# Altium PCB hellen1-72.PcbDoc (part 3 of 3)
Units mm, origin at the board's own origin, x right, y up, seen from the top; angles counter-clockwise.
Board outline 154 x 159 mm, 2 copper layers (Top Layer, Bottom Layer), stack 1.171 mm thick; 138 components, 222 nets, 1020 pads, 542 vias.
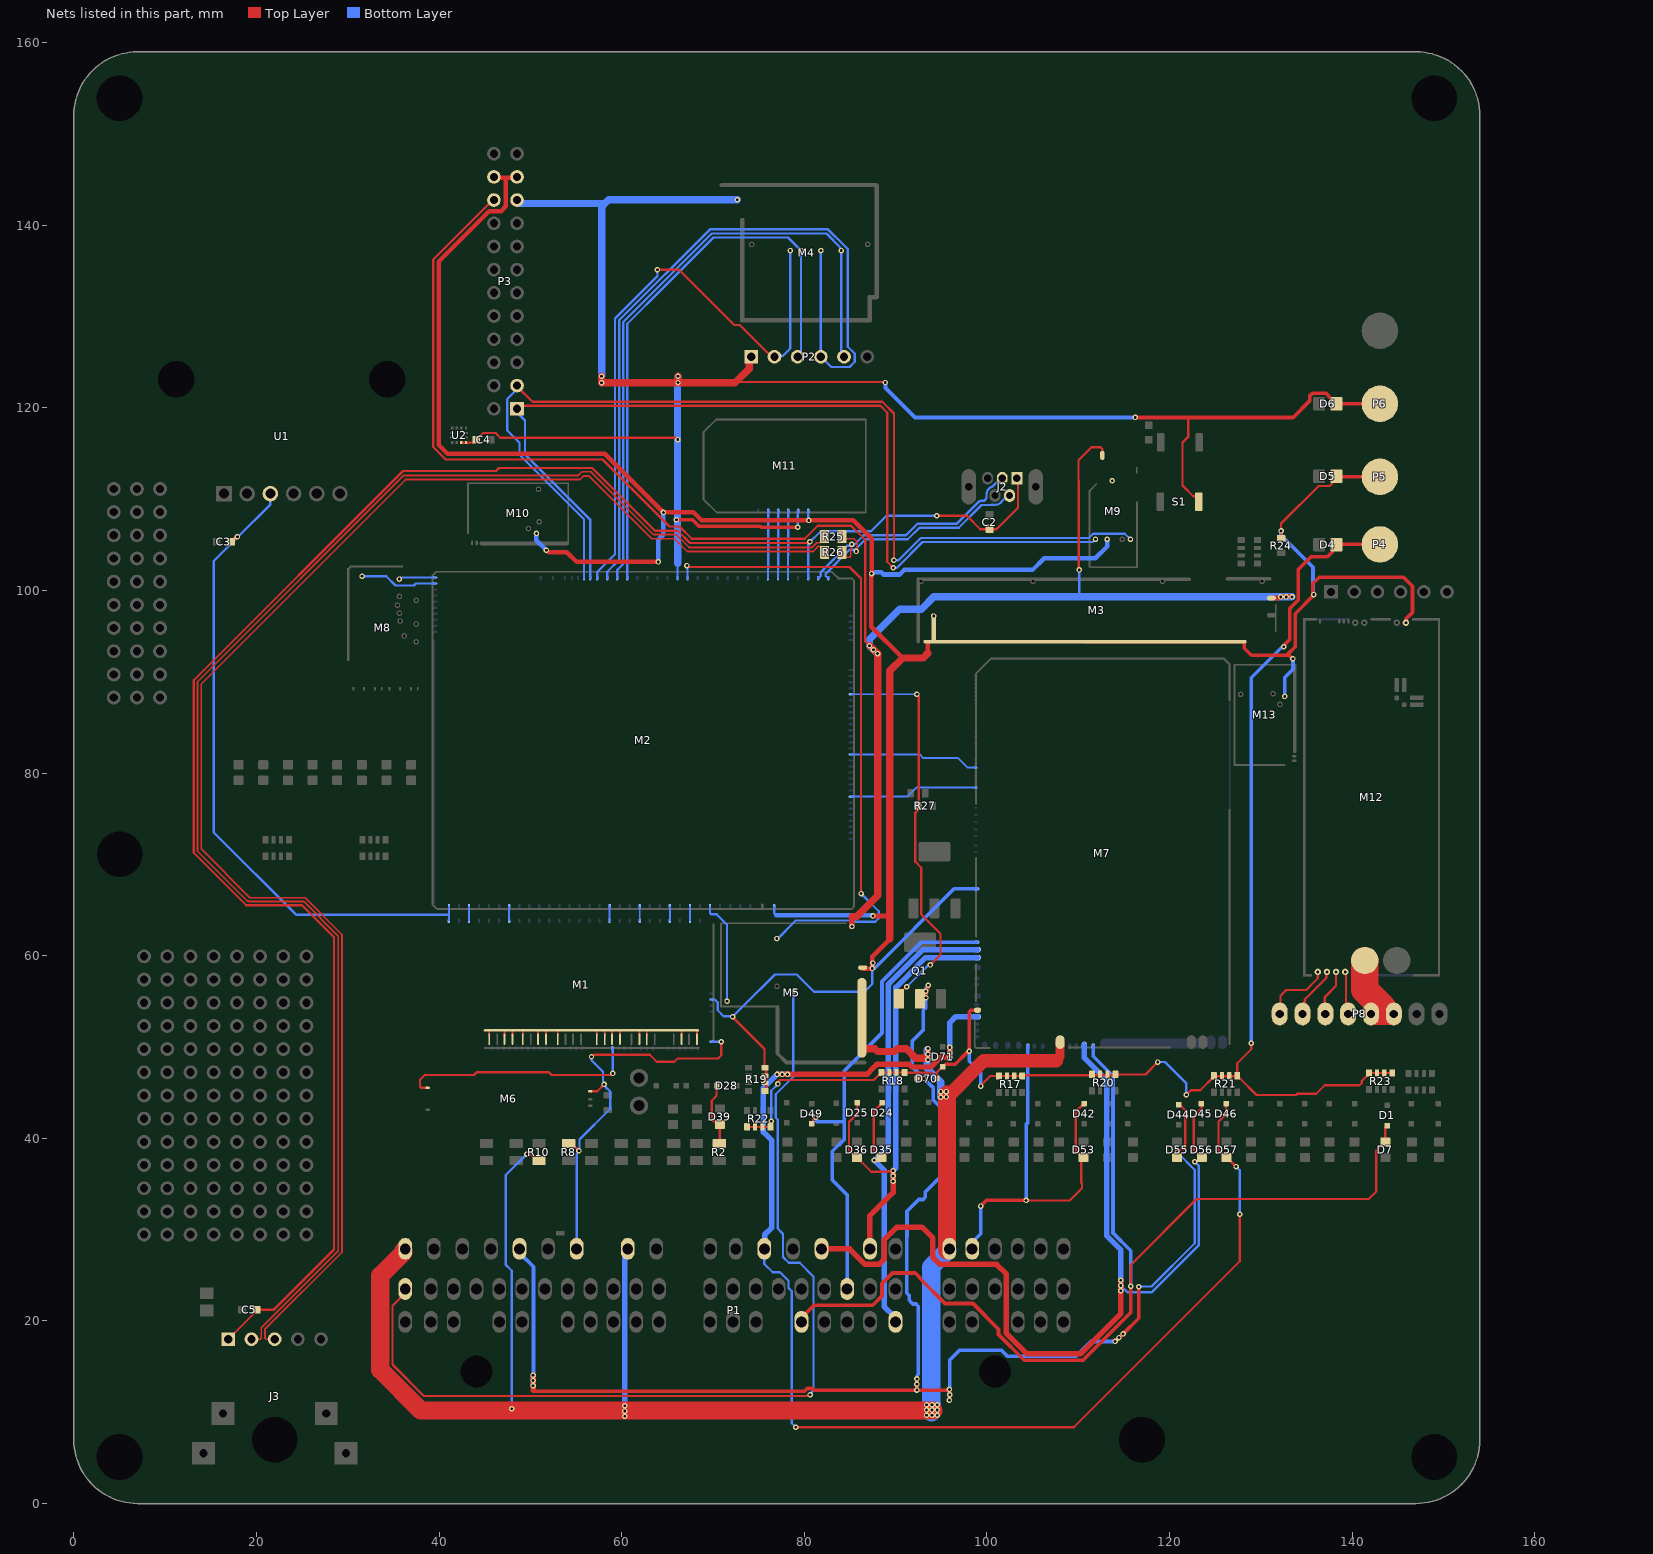
[diagram p3: the nets of this part, all layers, seen from the top]

## Via types
v1: diameter 0.6, hole 0.3, Top Layer to Bottom Layer, tented both sides, 542 vias

## Nets (pads, with @x,y where several pads share a name; then routed paths per layer and width w, separated by ;. In a path a pad name is that pad's centre, name@x,y a point inside that pad or via, vN(x,y) a via of type N, cw(c..) or ccw(c..) an arc to the next point about the centre after c; other vN are vias at no path point) (continued)
OUT_INJ7: D24.2 D35.2 M7.W12 P1.3C | length 57.6
  Top Layer w0.25: v1(87.675,37.588) 87.694,37.606 88.181,37.606 D35.2@88.475,37.9 88.425,37.9 87.6,38.725 87.6,42.9 88.225,43.525 88.225,43.6 D24.2@88.525,43.9
  Bottom Layer w0.6: P1.3C@90,19.9 90,20.35 88.75,21.6 88.75,36.513 v1(87.675,37.588) 89.225,39.138 89.225,56.856 89.3,56.931 89.3,56.95 93.014,60.664 M7.W12@98.972,60.664
OUT_INJ8: D25.2 D36.2 M7.W11 P1.3D | length 52.7
  Top Layer w0.25: D25.2@85.825,43.9 85.825,42.724 84.9,41.799 84.9,38.725 85.725,37.9 D36.2@85.775,37.9 85.825,37.9 86.2,37.525 86.2,37.475 87.35,36.325 89.13,36.325 89.188,36.383 89.658,36.383 v1(89.725,36.45)
  Top Layer w0.6: P1.3D@87.2,27.9 87.2,31.525 89.725,34.05 v1(89.725,35.3) v1(89.725,35.875) v1(89.725,36.45)
  Bottom Layer w0.6: v1(89.725,35.3) v1(89.725,35.875) v1(89.725,36.45) 90.025,36.75 90.025,56.525 93.289,59.789 M7.W11@98.972,59.789
OUT_MAIN: D49.1 M7.W13 P1.3H | length 53.2
  Top Layer w0.25: D49.1@80.8,41.6 80.975,41.775 80.975,42.055 81.125,42.205 v1@81.125,42.3
  Bottom Layer w0.4: v1@81.125,42.3 81.125,42.246 81.359,42.012 81.359,41.825 84.375,41.825 ; P1.3H@84.7,23.5 84.7,33.8 83.075,35.425 83.075,38.575 84.375,39.875 84.375,41.825 ; M7.W13@98.877,61.489 92.849,61.489 88.525,57.165 88.525,51.525 84.375,47.375 84.375,41.825
  other v1: 81.25,42.3
OUT_O2H: D45.2 D56.2 M7.S7 P1.3J | length 109.7
  Top Layer w0.25: v1(122.775,37.425) 122.87,37.425 122.97,37.525 123.125,37.525 D56.2@123.5,37.9 ; D45.2@123.5,43.8 123.5,43.261 122.65,42.411 122.65,38.75 D56.2@123.5,37.9 ; D56.2@123.55,37.9 D56.2@123.5,37.9
  Top Layer w0.6: P1.3J@81.89,27.9 84.982,27.9 86.682,26.2 88.2,26.2 88.75,26.75 88.75,28.868 90.157,30.275 92.9,30.275 94.1,29.075 94.1,26.95 94.85,26.2 101.075,26.2 102.15,25.125 102.15,18.625 104.375,16.4 110.25,16.4 114.675,20.825 v1(114.675,23.3) v1(114.675,23.875) v1(114.675,24.45)
  Bottom Layer w0.25: v1(114.675,24.45) 114.675,23.775 114.775,23.775 115.425,23.125 118.025,23.125 123.225,28.325 123.225,36.975 v1(122.775,37.425)
  Bottom Layer w0.6: M7.S7@110.677,50.189 110.677,48.798 113.1,46.375 113.1,46.29 113.125,46.265 113.125,29.331 114.675,27.781 v1(114.675,24.45) v1(114.675,23.875) v1(114.675,23.3)
OUT_O2H2: D46.2 D57.2 M7.W4 P1.3P | length 146
  Top Layer w0.25: v1(79.075,8.35) 109.525,8.35 127.7,26.525 v1(127.7,31.675) ; D46.2@126.2,43.8 126.2,42.636 125.375,41.811 125.375,38.725 126.2,37.9 D57.2@126.25,37.9 126.3,37.9 v1(127.3,36.9)
  Top Layer w0.6: v1@77.25,47 v1(77.6,47) v1(78.175,47) 86.85,47 87.55,47.7 87.556,47.7 87.956,48.1 91.494,48.1 91.783,47.811 93.881,47.811 94.35,48.279 94.35,48.297 94.928,48.875 95.872,48.875 95.797,48.8 v1(95.95,48.8) v1(95.95,49.375) v1(95.95,49.95)
  Bottom Layer w0.25: P1.3P@75.63,27.9 75.63,26.245 76.555,25.32 77.35,25.32 78.275,24.395 78.275,23.6 78.625,23.25 78.625,8.8 v1(79.075,8.35) ; v1(127.3,36.9) 127.7,36.5 v1(127.7,31.675)
  Bottom Layer w0.6: P1.3P@75.63,27.9 75.675,27.945 75.675,29.449 76.45,30.224 76.45,39.756 75.525,40.681 75.525,45.5 v1(77.025,47) v1(77.6,47) v1(78.175,47) ; v1(95.95,48.8) v1(95.95,49.375) v1(95.95,49.95) 95.95,50.328 95.95,52.672 96.591,53.314 M7.W4@98.972,53.314
OUT_PUMP: D42.2 D53.2 M7.S14 P1.2M | length 44.1
  Top Layer w0.25: v1(104.3,33.2) 109.084,33.2 110.425,34.541 110.425,35.059 110.35,35.134 110.35,37.65 D53.2@110.6,37.9 110.55,37.9 109.725,38.725 109.725,42.875 D42.2@110.65,43.8
  Top Layer w0.4: v1(99.325,32.575) 99.95,33.2 v1(104.3,33.2)
  Bottom Layer w0.4: P1.2M@98.4,27.9 98.4,28.608 99.325,29.533 v1(99.325,32.575) ; v1(104.3,33.2) 104.3,41.523 104.497,41.72 M7.S14@104.497,50.089
OUT_TACH: D1.1 D7.1 M7.S6 P1.3O | length 117
  Top Layer w0.25: v1(115.75,23.8) 115.75,26.13 122.97,33.35 141.825,33.35 142.65,34.175 142.65,38.65 143.6,39.6 D7.1@143.65,39.6 143.65,41.175 D1.1@143.875,41.4
  Top Layer w0.4: P1.3O@79.7,19.9 79.7,20.35 81.072,21.722 87.498,21.722 88.511,22.735 88.511,24.087 89.674,25.25 92.165,25.25 92.65,24.765 92.65,24.674 95.424,21.9 98.476,21.9 101.281,19.096 101.281,18.504 104.085,15.7 110.54,15.7 115.75,20.91 v1(115.75,23.8)
  Bottom Layer w0.4: M7.S6@111.652,50.089 111.652,48.998 113.8,46.85 113.8,46.58 113.825,46.555 113.825,29.621 115.75,27.696 v1(115.75,23.8)
OUT_VVT: D44.2 D55.2 D70.2 P1.4R Q1.2 | length 177.3
  Top Layer w0.25: v1(120.85,38.475) 120.945,38.475 121.245,38.775 121.476,38.775 121.725,39.024 121.725,43.075 D44.2@121,43.8
  Top Layer w0.4: 50.311,12.413 50.411,12.313 80.057,12.313 80.344,12.6 80.924,12.6 81.111,12.413 95.671,12.413 95.72,12.462 95.862,12.462 v1(95.9,12.5) 95.912,12.488 95.912,11.938 v1(95.925,11.925) ; D70.2@92.325,46.55 v1(93.1,46.55) ; v1(92.35,12.425) v1(92.35,13.05) v1(92.35,13.65) ; Q1.2@92.675,55.275 92.786,55.386 v1(93.325,55.386) 93.312,55.399 93.312,56.088 v1(93.3,56.1) 93.3,56.154 93.536,56.39 93.536,56.712 v1(93.574,56.75) ; v1@95.95,11.275 v1@95.95,11.925 ; v1(114.05,17.75) v1(114.475,18.175) ; v1@114.5,18.15 v1(114.925,18.575) 116.65,20.3 v1(116.65,23.75) ; D55.2@120.85,37.9 v1(120.85,38.475)
  Top Layer w0.6: 50.3,12.527 v1(50.3,12.9) v1(50.3,13.475) v1(50.3,14.05) ; 50.311,12.413 50.311,12.516
  Bottom Layer w0.25: v1@116.65,23.775 118.039,23.775 122.775,28.511 122.775,36.541 120.85,38.466 v1(120.85,38.475)
  Bottom Layer w0.4: P1.4R@48.82,27.9 48.82,27.45 50.35,25.92 v1@50.35,12.759 ; v1(92.35,12.425) v1(92.35,13.05) v1(92.35,13.65) 92.388,13.688 92.388,14.063 92.5,14.175 92.5,21.6 92.25,21.85 91.91,21.85 91.706,22.054 91.5,22.26 91.5,22.785 91.225,23.06 91.225,29.221 91.25,29.246 91.25,32.021 92.529,33.3 93.016,33.3 93.25,33.534 93.25,34.115 95.8,36.665 95.8,42.519 94.15,44.169 94.15,45.5 v1(93.1,46.55) 91.85,47.8 91.85,50.689 93.025,51.864 93.025,54.026 93.325,54.326 v1(93.325,55.386) 93.325,56.446 93.574,56.696 v1(93.574,56.75) ; v1(95.9,11.3) v1(95.9,12.5) 95.938,12.538 95.938,12.68 95.95,12.691 95.95,15.725 97,16.775 101.616,16.775 102.266,16.125 109.775,16.125 111.4,17.75 v1(114.05,17.75) 114.075,17.75 114.9,18.575 v1(114.925,18.575)
  Bottom Layer w0.6: v1(50.3,12.9) v1(50.3,13.475) v1(50.3,14.05)
PUMP: M2.E20 M7.W27 | length 14.3
  Bottom Layer w0.2: M2.E20@85.102,82.045 92.655,82.045 93.05,81.65 96.859,81.65 97.901,80.609 M7.W27@98.772,80.609
SD_CS: M2.N8 M4.V4 P2.2 | length 66.1
  Top Layer w0.25: v1(63.925,135.125) 66.275,135.125 72.325,129.075 72.927,129.075 76.402,125.6 P2.2@76.74,125.6
  Bottom Layer w0.25: M2.N8@57.325,101.352 57.325,102.025 59.275,103.975 59.275,129.784 63.925,134.434 v1(63.925,135.125) ; P2.2@76.73,125.839 76.854,125.714 77.683,125.714 78.475,126.506 M4.V4@78.475,137.23
SD_MISO: M2.N10 M4.V7 P2.5 | length 69.1
  Bottom Layer w0.25: M2.N10@59.525,101.352 59.525,102.25 60.175,102.9 60.175,129.411 69.864,139.1 82.428,139.1 83.983,137.544 83.983,137.297 M4.V7@84.05,137.23 P2.5@84.05,125.248
SD_MOSI: M2.N11 M4.V5 P2.3 | length 63.3
  Bottom Layer w0.25: M2.N11@60.625,101.352 60.625,129.225 64.7,133.3 70.05,138.65 78.23,138.65 M4.V5@79.65,137.23 P2.3@79.65,125.308
SD_SCK: M2.N9 M4.V6 P2.4 | length 87.5
  Bottom Layer w0.25: M2.N9@58.425,101.352 58.425,102.05 59.725,103.35 59.725,129.598 69.677,139.55 82.614,139.55 84.309,137.855 84.775,137.389 84.775,126.705 85.525,125.955 85.525,125.05 84.95,124.475 82.948,124.475 81.822,125.6 M4.V6@81.822,137.23
SENS2: M1.N25 M2.S9 | length 1.6
  Bottom Layer w0.2: M1.N25@67.482,63.83 M2.S9@67.482,65.42
SENS4: M1.N23 M2.S11 | length 1.6
  Bottom Layer w0.2: M1.N23@65.282,63.83 M2.S11@65.282,65.42
STEERING: M1.N3 M2.S31 | length 1.6
  Bottom Layer w0.2: M1.N3@43.28,63.827 43.283,63.83 43.283,65.42 M2.S31@43.285,65.423
SWCLK: M2.N25 M11.N5 | length 7.4
  Bottom Layer w0.25: M2.N25@76.025,101.352 76.025,102.425 76.05,102.45 M11.N5@76.05,108.725
SWDIO: M2.N26 M11.N4 | length 7.4
  Bottom Layer w0.25: M2.N26@77.125,101.352 77.125,102.425 77.15,102.45 M11.N4@77.15,108.725
SWO: M2.N27 M11.N3 | length 7.4
  Bottom Layer w0.25: M2.N27@78.225,101.352 78.225,103.813 78.25,103.839 M11.N3@78.25,108.725
TACH: M2.E27 M7.W22 | length 14.1
  Bottom Layer w0.2: M2.E27@85.102,77.425 91.3,77.425 92.284,78.409 M7.W22@98.772,78.409
TPS: M1.N17 M2.S17 | length 1.6
  Bottom Layer w0.2: M1.N17@58.683,63.83 M2.S17@58.683,65.42
UART_RX: M2.N7 M9.V2 P3.1 | length 103.8
  Top Layer w0.25: P3.1@48.55,119.5 49.275,120.225 88.354,120.225 89.104,119.475 89.104,103.146 v1(89.75,102.5)
  Bottom Layer w0.25: P3.1@48.175,119.875 49.425,118.625 49.425,114.902 56.55,107.777 M2.N7@56.55,101.352 ; v1(89.75,102.5) 90.15,102.5 92.95,105.3 111.593,105.3 111.893,105.6 M9.V2@111.9,105.6
UART_TX: M2.N6 M9.V5 P3.3 | length 110.7
  Top Layer w0.25: P3.3@48.55,122.44 48.55,122.355 50.23,120.675 73.285,120.675 88.541,120.675 89.829,119.386 v1(89.829,103.321)
  Bottom Layer w0.25: P3.3@48.55,122.065 48.55,122.04 47.475,120.965 47.475,117.534 48.825,116.184 48.825,114.866 55.885,107.806 M2.N6@55.885,101.352 ; v1(89.829,103.321) 90.334,103.321 92.764,105.75 111.166,105.75 111.641,106.225 115.1,106.225 M9.V5@115.725,105.6
USB2_N: J3.2 R25.1 | length 168.7
  Top Layer w0.2: J3.2@19.46,18 20.398,18 20.53,18.132 20.53,19.262 28.973,27.705 28.973,33.852 28.973,62.153 25.176,65.95 19.127,65.95 19.102,65.975 19.026,65.975 13.55,71.451 13.55,90 36.159,112.609 55.268,112.609 55.659,113 56.615,113 63.49,106.125 65.977,106.125 67.377,104.725 80.874,104.725 81.386,105.237 81.72,105.237 81.757,105.275 81.825,105.275 82.225,105.675 R25.1@82.225,105.9
USB2_P: J3.3 R26.1 | length 168
  Top Layer w0.2: J3.3@22,18 21.062,18 20.93,18.132 20.93,19.097 29.373,27.54 29.373,62.319 25.342,66.35 19.293,66.35 13.95,71.693 13.95,89.758 36.347,112.155 55.456,112.155 55.851,112.55 56.423,112.55 63.302,105.671 65.789,105.671 67.189,104.271 80.985,104.271 81.552,104.837 81.72,104.837 81.757,104.8 81.825,104.8 82.225,104.4 R26.1@82.225,104.175
USB_N: J2.2 M2.N31 R25.2 | length 28
  Top Layer w0.2: R25.2@84.125,105.9 84.125,105.675 85.449,105.675 85.8,105.324 85.8,104.826 85.777,104.803 85.777,104.352 v1(85.7,104.275)
  Bottom Layer w0.25: M2.N31@82.625,101.352 82.625,101.477 82.459,101.477 82.327,101.609 82.327,101.815 84.962,104.45 v1@85.7,104.45 ; v1(85.7,104.275) v1@85.7,104.45 ; J2.2@102.05,110.118 J2.2@102.344,110.118 ; J2.2@102.489,110.4 ccw(c102.489,109.829) 102.085,110.233 101.69,109.837 cw(c100.889,110.3) 100.715,109.391 ccw(c100.673,109.17) 100.639,109.393 cw(c100.4,110.983) 100.4,109.375 99.416,109.375 96.916,106.874 92.615,106.874 91.341,105.6 86.71,105.6 85.7,104.59 v1@85.7,104.45
USB_P: J2.3 M2.N30 R26.2 | length 28.5
  Top Layer w0.2: R26.2@84.125,104.175 84.125,104.05 84.525,103.65 84.995,103.65 85.1,103.755 85.1,104.524 85.2,104.624 v1(85.2,105.075)
  Bottom Layer w0.25: M2.N30@81.525,101.352 81.525,101.477 81.691,101.477 81.823,101.609 81.823,102.024 84.699,104.9 v1@85.2,104.9 ; v1(85.2,105.075) v1@85.2,104.9 ; 99.774,109.875 cw(c99.633,110.05) 99.633,109.825 99.416,109.825 ccw(c99.416,109.375) 99.168,109.75 cw(c99.044,109.938) 99.139,109.734 96.73,107.324 92.429,107.324 91.154,106.05 86.524,106.05 85.374,104.9 v1@85.2,104.9 ; 99.775,109.875 ccw(c99.02,110.63) 99.936,110.081 ccw(c99.743,110.198) 99.967,110.218 cw(c100.889,110.3) 99.964,110.3 99.964,110.5 cw(c100.889,110.5) 100.088,110.962 cw(c100.889,110.5) 100.235,111.154 cw(c100.889,110.5) 100.525,111.35 ccw(c100.437,111.557) 100.582,111.385 100.585,111.388 100.62,111.388 101.532,112.3 J2.3@101.689,112.3 ; J2.3@101.689,112.25 J2.3@101.689,112.3 ; J2.3@101.689,112.4 J2.3@101.689,112.3 ; J2.3@101.782,112.25 101.782,112.157 J2.3@101.814,112.125
V5: D5.1 M1.E2 M2.S1 M3.V2 M5.E1 M7.W14 M9.V3 M10.V1 M11.N1 M12.W1 M13.V1 P3.21 P3.22 P5.1 R19.5 R19.6 R19.7 R19.8 R24.1 | length 330.8
  Top Layer w0.25: v1(72.15,53.313) 72.15,53.275 75.65,49.775 75.65,47.775 R19.8@75.7,47.725 ; R19.5@75.85,45.15 R19.8@75.85,47.7 ; R24.1@132.225,105.725 v1(132.225,106.525) 132.225,107.325 136.345,111.445 137.545,111.445 137.793,111.693 137.793,112.013 D5.1@138.3,112.52
  Top Layer w0.4: M3.V2@110.75,94.4 128.195,94.4 128.195,93.68 128.9,92.975 128.935,92.975 129.01,92.9 132.845,92.9 132.939,92.994 ; v1(133.525,92.525) 133.471,92.525 133.002,92.994 132.939,92.994 ; v1@135.81,99.496 135.71,99.396 135.71,99.393 133.775,97.458 133.775,93.83 132.939,92.994 ; v1(135.81,99.55) 135.81,99.604 135.7,99.714 135.7,100.74 136.41,101.45 145.625,101.45 146.625,100.45 146.625,97.6 146.4,97.375 146.384,97.375 145.955,96.946 145.955,96.53 M12.W1@145.9,96.475 ; D5.1@138.3,112.445 P5.1@143.045,112.445 ; P5.1@143.045,111.245 P5.1@143.05,111.25
  Top Layer w0.5: P3.22@46.035,145.225 47.325,145.225 ; P3.21@48.525,145.225 47.325,145.225 ; v1(51.77,104.396) 51.797,104.396 51.993,104.2 54,104.2 55.075,103.125 v1(64.025,103.125) ; M5.E1@86.4,58.7 86.4,58.575 87.398,58.575 87.423,58.6 v1(87.45,58.6) 87.45,58.627 87.48,58.657 v1@87.48,59.201 ; v1@87.357,102.011 87.357,96.02 90.777,92.6 ; v1(87.375,101.85) 87.375,105.675 85.375,107.675 v1(80.5,107.675) 68.75,107.675 67.875,108.55 v1(64.575,108.55) 58.155,114.97 40.93,114.97 39.95,115.95 39.95,136.025 45.485,141.56 46.82,141.56 47.325,142.065 47.325,145.225 ; v1(87.525,64.35) 89.375,64.35 ; v1(87.53,59.201) v1@87.48,59.201 ; 89.375,61.819 87.734,60.178 87.47,59.915 87.47,59.21 v1@87.48,59.201 ; 93.541,93.116 M3.V2@93.541,94.275
  Top Layer w0.8: 89.375,61.819 89.375,64.35 89.375,91.198 90.777,92.6 93.025,92.6 93.541,93.116
  Bottom Layer w0.25: M1.E2@69.85,55.198 70.202,55.198 70.534,54.866 70.534,54.016 71.171,53.379 72.083,53.379 v1(72.15,53.313) 73.375,54.538 76.787,57.95 79.175,57.95 81.075,56.05 86.6,56.05 87.45,56.9 v1(87.45,58.6) ; M2.S1@76.725,65.323 76.725,64.625 76.925,64.425 ; M11.N1@80.45,108.675 80.45,107.725 v1(80.5,107.675)
  Bottom Layer w0.4: v1(87.45,58.6) 87.488,58.638 87.713,58.638 96.414,67.339 M7.W14@98.877,67.339 ; v1(132.225,106.525) 132.225,106.05 135.725,102.55 135.725,99.776 135.772,99.73 135.772,99.588 v1(135.81,99.55) ; M13.V1@132.625,88.4 132.625,90.475 133.525,91.375 v1(133.525,92.525)
  Bottom Layer w0.5: M10.V1@50.67,106.255 50.67,105.496 v1(51.77,104.396) ; v1(64.025,103.125) 64.025,105.563 64.575,106.113 v1(64.575,108.55) ; 76.925,64.425 87.423,64.425 87.498,64.35 v1(87.525,64.35) ; v1(87.375,101.85) 87.402,101.85 87.54,101.987 88.448,101.987 88.686,101.75 90.475,101.75 90.975,102.25 105,102.25 106.275,103.525 111.875,103.525 113.175,104.825 M9.V3@113.175,105.6
V5A: C3.1 M1.E5 M1.J1 M1.J3 M1.J5 M1.J6 M1.J7 M1.J9 M1.J10 M1.J11 M1.J15 M1.J16 M1.J17 M1.J18 M1.J20 M1.J21 M1.J24 M1.J26 M1.N1 M2.S33 M6.E1 P1.4L R8.2 U1.3 | length 123.7
  Top Layer w0.2: M1.J3@45.495,51.25 M1.J1@45.495,51.775 ; M1.J5@47.17,51.25 M1.J1@47.17,51.775 ; M1.J6@48.045,51.25 M1.J1@48.045,51.775 ; M1.J7@49.17,51.25 M1.J1@49.17,51.775 ; M1.J9@50.845,51.25 M1.J1@50.845,51.775 ; M1.J10@51.72,51.25 M1.J1@51.72,51.775 ; M1.J11@52.995,51.25 M1.J1@52.995,51.775 ; M1.J15@57.27,51.25 M1.J1@57.27,51.775 ; M1.J16@58.145,51.25 M1.J1@58.145,51.775 ; M1.J17@58.945,51.25 M1.J1@58.945,51.775 ; M1.J18@59.82,51.25 M1.J1@59.82,51.775 ; M1.J20@61.945,51.25 M1.J1@61.945,51.775 ; M1.J21@62.745,51.25 M1.J1@62.745,51.775 ; M1.J24@66.575,51.25 M1.J1@66.575,51.775 ; M1.J26@68.25,51.25 M1.J1@68.25,51.775
  Top Layer w0.25: R8.2@54.2,39.45 54.5,39.45 v1(55.325,38.625) ; M6.E1@56.575,45.15 57.328,45.15 v1(58.078,45.9) ; v1(56.7,48.925) 56.777,48.925 57.007,49.155 63.07,49.155 63.848,48.377 65.769,48.377 66.141,48.75 70.55,48.75 70.9,49.1 v1(70.9,50.575)
  Top Layer w0.4: C3.1@17.24,105.35 17.727,105.837 17.887,105.837 v1(17.925,105.875)
  Bottom Layer w0.2: M1.N1@41.08,63.827 41.083,63.83 41.083,64.5 41.085,64.503 M2.S33@41.085,65.423
  Bottom Layer w0.25: U1.3@21.53,110.6 21.53,109.43 17.95,105.85 15.325,103.225 15.325,73.5 24.325,64.5 41.083,64.5 ; P1.4L@55.08,27.9 55.08,38.28 55.375,38.575 55.375,38.58 55.375,39.864 58.75,43.239 58.75,45.125 58.244,45.631 58.244,45.64 58.145,45.738 58.145,45.967 58.167,45.988 57.95,46.205 57.95,47.288 56.7,48.538 v1(56.7,48.925) ; M1.E5@69.85,50.578 70.897,50.578 v1(70.9,50.575)
V5I: M2.W9 M8.V9 | length 8.5
  Bottom Layer w0.25: M8.V9@31.575,101.55 34.225,101.55 35.225,100.55 37.259,100.55 37.469,100.76 M2.W9@39.575,100.76
V12: M3.V1 M5.V1 M9.N1 M9.V1 P3.20 | length 198.5
  Top Layer w0.25: P3.20@46.01,142.36 45.949,142.421 45.533,142.421 39.375,136.263 39.375,115.712 40.743,114.344 57.897,114.344 65.241,107 66.339,107 67.683,105.657 80.05,105.657 81.493,107.1 85.137,107.1 86.675,105.562 86.675,94.425 v1(87.15,93.95) v1@87.2,93.95 ; v1(110.125,102.25) 110.07,102.305 110.07,111.988 110.05,112.008 110.05,114.275 111.475,115.7 112.45,115.7 112.65,115.5 M9.N1@112.65,114.8
  Top Layer w0.5: M3.V1@131.17,99.175 132.048,99.175 132.173,99.3 v1(132.2,99.3) 132.219,99.319 132.29,99.319 132.314,99.343 132.73,99.343 132.773,99.3 v1(132.8,99.3) 132.827,99.3 132.882,99.355 133.343,99.355 133.398,99.3 v1(133.425,99.3)
  Top Layer w0.6: M5.V1@85.225,63.2 85.225,64.275
  Top Layer w0.8: 85.225,64.275 85.725,64.275 88.048,66.598 v1@88.048,93.102 ; v1@87.2,93.95 v1@87.61,93.54 ; v1(87.585,93.515) v1@87.61,93.54 ; v1(88.035,93.09) v1@88.048,93.102 ; v1@87.61,93.54 v1@88.048,93.102
  Bottom Layer w0.25: 110.125,99.3 v1(110.125,102.25)
  Bottom Layer w0.8: v1(88.035,93.09) 88.01,93.09 v1(87.585,93.515) v1(87.15,93.95) 87.15,94.675 90.425,97.95 92.85,97.95 94.2,99.3 110.125,99.3 v1(132.2,99.3) v1(132.8,99.3) v1(133.425,99.3)
V12_PERM: M5.V4 P1.4AG | length 103.7
  Top Layer w0.25: P1.4AG@36.3,23.5 36.3,23.05 34.9,21.65 34.9,15.225 38.337,11.788 80.327,11.788 80.373,11.833 80.567,11.833 v1(80.634,11.9)
  Bottom Layer w0.25: M5.V4@78.9,56.15 78.833,56.083 78.833,55.876 78.8,55.843 78.8,53.34 78.8,46.741 76.875,44.816 76.875,42.259 77.088,42.046 77.088,30.129 77.685,29.531 77.685,27.005 78.315,26.375 79.5,26.375 81.025,24.85 81.025,12.385 80.634,11.995 v1(80.634,11.9)
V12_RAW: M5.E2 M7.S11 P1.2P P1.4AF P1.4D R10.1 | length 201.2
  Top Layer w0.25: v1(49.627,38.277) 49.694,38.21 50.065,38.21 50.725,37.55 R10.1@50.95,37.55
  Top Layer w0.6: v1(60.35,9.55) v1(60.35,10.125) 60.35,10.2 v1(60.35,10.7) ; v1(93.4,9.675) 93.4,10.2 v1(93.4,10.25) v1(93.4,10.825) ; v1@93.55,48.636 v1(93.55,49.218) v1(93.55,49.825) ; v1(94,9.675) 94,10.2 v1(94,10.25) v1(94,10.825) ; v1(94.575,9.675) v1(94.575,10.25) v1(94.575,10.825)
  Top Layer w0.8: M5.E2@86.315,53.197 86.315,49.892 86.407,49.8 87.734,49.8 88.032,49.502 89.929,49.502 90.227,49.8 91.198,49.8 92.223,48.775 93.214,48.775
  Top Layer w1: v1(95.55,44.525) 95.6,44.525 v1@95.638,44.488 ; 107.6,48.5 108.027,48.927 M7.S11@108.027,50.539
  Top Layer w1.5: v1@95.638,44.488 99.65,48.5 107.6,48.5
  Top Layer w2: P1.4AF@36.1,27.7 36.1,27.5 33.575,24.975 33.575,14.625 38,10.2 60.35,10.2 93.4,10.2 94,10.2 v1@94.15,10.2 ; P1.2P@95.638,27.7 95.638,44.488 v1@95.638,44.8
  Bottom Layer w0.25: v1(47.975,10.375) 47.975,25.5 47.295,26.18 47.295,35.944 v1(49.627,38.277)
  Bottom Layer w0.6: v1(60.35,9.55) v1(60.35,10.125) v1(60.35,10.7) 60.35,26.886 60.67,27.206 P1.4D@60.67,27.9
  Bottom Layer w0.8: v1@93.45,48.986 v1@93.45,49.7 ; v1@93.45,49.075 93.45,47.675 94.95,46.175 v1(94.95,45.125) ; v1(95.55,44.525) 95.531,44.506 95.006,44.506 95,44.5 v1(94.95,44.5) v1(94.95,45.125) ; v1(95.55,45.125) v1(94.95,45.125)
  Bottom Layer w2: v1@93.95,9.975 v1@93.95,10.825 ; v1(94,10.825) 93.9,10.925 93.9,25.9 P1.2P@95.7,27.7
  other v1: 93.55,48.611
V12P: D4.1 D70.1 D71.1 M7.W5 P4.1 R17.5 R17.6 R17.7 R17.8 R18.5 R18.6 R18.7 R18.8 R20.5 R20.6 R20.7 R20.8 R21.5 R21.6 R21.7 R21.8 R22.5 R22.6 R22.7 R22.8 R23.5 R23.6 R23.7 R23.8 | length 161.1
  Top Layer w0.25: R22.5@73.75,41.25 R22.6@74.625,41.25 R22.7@75.425,41.25 R22.8@76.3,41.25 76.338,41.287 76.338,41.838 v1(76.375,41.875) ; v1(77.116,45.959) 77.116,46.141 77.35,46.375 87.625,46.375 88.175,46.925 88.25,46.925 88.45,47.125 R18.8@88.45,47.2 R18.7@89.325,47.2 R18.6@90.125,47.2 R18.5@91,47.2 91.014,47.186 93.964,47.186 94.4,46.75 D70.1@94.525,46.75 ; D70.1@94.525,46.55 D70.1@94.525,46.75 ; 95.5,48.175 D71.1@95.15,47.825 94.525,47.2 D70.1@94.525,46.75 ; 97.779,49.412 97.859,49.412 97.989,49.541 v1(98.084,49.541) ; v1(99.325,45.725) 99.325,45.775 100.375,46.825 R17.8@101.325,46.825 R17.7@102.2,46.825 R17.6@103,46.825 R17.5@103.875,46.825 103.963,46.913 R20.8@111.525,46.913 ; R20.8@111.525,47 R20.8@111.525,46.913 ; R20.7@112.4,47 R20.7@112.4,46.913 ; R20.6@113.2,47 R20.6@113.2,46.913 ; v1(118.725,48.35) 117.375,47 R20.5@114.075,47 113.988,46.913 R20.6@113.2,46.913 ; v1(121.856,44.777) 122.354,45.275 123.375,45.275 124.875,46.775 R21.8@124.875,46.8 ; R21.8@124.875,46.85 R21.8@124.875,46.8 ; R21.7@125.75,46.85 R21.7@125.75,46.8 ; R21.6@126.55,46.85 R21.6@126.55,46.8 ; v1(128.954,50.42) 128.954,49.754 127.425,48.225 R21.5@127.425,46.85 R21.5@127.425,46.8 ; R23.5@144.4,47.15 R23.6@143.525,47.15 R23.7@142.725,47.15 R23.8@141.85,47.15 141.85,47.075 141.05,46.275 141.05,46.025 140.825,45.8 137,45.8 136.075,44.875 134.014,44.875 133.889,44.75 129.525,44.75 127.7,46.575 127.625,46.575 127.425,46.775 R21.5@127.425,46.8 ; R20.8@111.525,46.913 R20.7@112.4,46.913 ; R20.7@112.4,46.913 R20.6@113.2,46.913 ; R21.8@124.875,46.8 R21.7@125.75,46.8 ; R21.7@125.75,46.8 R21.6@126.55,46.8 ; R21.6@126.55,46.8 R21.5@127.425,46.8
  Top Layer w0.4: 95.5,48.1 96.542,48.1 97.779,49.337 ; v1(98.084,49.541) 98.084,53.859 98.259,54.035 M7.W5@98.972,54.035 ; v1(132.515,93.829) 132.515,93.964 133.175,94.624 133.175,98.025 134.125,98.975 134.125,102.325 135.5,103.7 137.3,103.7 137.85,104.25 137.85,104.475 138.425,105.05 P4.1@143.05,105.05
  Bottom Layer w0.25: v1(76.375,41.875) 76.375,45.219 v1(77.116,45.959) ; v1(118.725,48.35) 119.5,48.35 121.856,45.994 v1(121.856,44.777) v1@121.856,44.607
  Bottom Layer w0.4: v1(98.084,49.541) 98.084,48.44 99.325,47.199 v1(99.325,45.725) ; v1(128.954,50.42) 128.954,90.447 132.298,93.791 132.477,93.791 v1(132.515,93.829)
V33: C4.1 D6.1 M2.N16 M4.V1 M11.N2 P2.1 P3.19 P6.1 S1.2 U2.9 U2.10 | length 213.7
  Top Layer w0.25: U2.9@42.445,116.195 U2.10@42.945,116.195 43.395,116.195 43.408,116.209 43.784,116.209 C4.1@44.084,116.509 44.834,117.259 46.174,117.259 46.37,117.063 46.37,117.056 46.701,116.725 65.95,116.725 v1(66.15,116.525) ; 72.5,122.825 88.825,122.825 v1(88.869,122.781) ; 122.075,118.95 122.075,116.863 121.425,116.213 121.425,111.5 122.607,110.318 122.925,110.318 123.42,109.823 S1.2@123.42,109.505 ; 122.975,118.95 123.004,118.95
  Top Layer w0.4: v1(66,107.75) 67.756,107.75 68.481,107.025 75.197,107.025 75.297,106.925 v1(79.3,106.925) ; v1(116.25,118.95) 122.075,118.95 122.975,118.95 ; 123.004,118.95 133.55,118.95 135.35,120.75 135.35,121.29 135.66,121.6 137.14,121.6 137.45,121.29 137.45,121.211 137.661,121 137.85,121 138.241,120.609 D6.1@138.241,119.959 ; D6.1@138.65,120.45 P6.1@143.05,120.45
  Top Layer w0.8: v1(57.8,123.475) v1(57.8,122.75) 66.15,122.75 v1(66.175,122.775) 66.2,122.75 72.425,122.75 72.5,122.825 73.972,124.297 73.972,125.372 P2.1@74.2,125.6 ; v1@66.175,122.825 v1(66.175,123.475)
  Bottom Layer w0.25: v1(66,107.75) 66,105.2 66.125,105.075 66.15,105.05 ; M2.N16@66.125,101.352 66.125,101.477 66.125,102.95 66.15,102.975 ; v1(79.3,106.925) 79.3,108.675 M11.N2@79.35,108.725
  Bottom Layer w0.4: v1(88.869,122.781) 88.907,122.743 88.907,122.178 92.135,118.95 v1(116.25,118.95)
  Bottom Layer w0.8: P3.19@48.714,142.385 58.158,142.385 ; v1(57.8,122.75) v1(57.8,123.475) 57.812,123.488 57.812,142.04 58.158,142.385 ; 66.125,105.025 66.125,105.075 v1@66.125,122.775 ; 66.15,102.975 66.15,105.05 ; v1(66.175,122.775) v1(66.175,123.475) ; M4.V1@72.675,142.805 58.578,142.805 58.158,142.385
V33I: M2.W10 M8.V10 | length 4
  Bottom Layer w0.2: M8.V10@35.65,101.25 35.758,101.25 35.928,101.42 M2.W10@39.575,101.42
VBAT: M2.N17 M5.V2 | length 71.5
  Top Layer w0.25: v1@67.125,102.85 67.157,102.85 67.432,102.575 84.95,102.575 86.225,101.3 v1(86.225,66.8)
  Bottom Layer w0.25: v1@67.125,102.85 67.125,102.755 67.225,102.655 M2.N17@67.225,101.352 ; M5.V2@77.013,61.788 79.075,63.85 85.459,63.85 85.584,63.725 87.784,63.725 88.15,64.091 88.15,64.875 v1(86.225,66.8)
  other v1: 67.15,102.725
VBUS: C2.2 C5.2 J2.1 J3.1 M2.N29 | length 201.5
  Top Layer w0.25: J3.1@16.92,18 C5.2@20.08,21.16 ; C5.2@20.015,21.225 20.032,21.208 21.875,21.208 28.5,27.833 28.5,62.025 25,65.525 18.875,65.525 13.125,71.275 13.125,90.176 36.043,113.094 46.251,113.094 46.582,113.425 56.791,113.425 63.666,106.55 66.153,106.55 67.496,105.207 80.412,105.207 80.53,105.325 v1(80.625,105.325) ; v1(94.525,108.175) 97.825,108.175 99.29,106.71 C2.2@100.3,106.71 101.05,106.71 103.414,109.074 103.414,112.175 J2.1@103.289,112.3
  Bottom Layer w0.25: M2.N29@80.425,101.352 80.425,105.03 80.576,105.182 80.576,105.276 81.8,106.5 87.325,106.5 89,108.175 v1(94.525,108.175)
VIGN: M2.S7 M5.V5 | length 11.4
  Bottom Layer w0.25: M2.S7@69.685,65.323 69.685,64.671 69.831,64.525 70.425,64.525 71.55,63.4 M5.V5@71.55,55.025
VREF2: M1.S13 M6.W2 | length 26
  Top Layer w0.25: M6.W2@38.685,45.525 38.057,45.525 37.925,45.657 37.925,46.425 38.425,46.925 43.825,46.925 44.15,47.25 52.007,47.25 52.332,46.925 52.9,46.925 58.755,46.925 58.93,47.1 v1(59.025,47.1)
  Bottom Layer w0.25: M1.S13@59.007,49.865 59.025,49.847 v1(59.025,47.1)
VSS: M1.N20 M2.S14 | length 1.6
  Bottom Layer w0.2: M1.N20@61.982,63.83 M2.S14@61.982,65.42
VSS_PULLUP: D28.2 D39.2 R2.2 | length 7.1
  Top Layer w0.25: D28.2@70.4,45.775 70.4,44.65 69.875,44.125 69.875,42.05 70.05,41.875 70.375,41.875 D39.2@70.75,41.5 70.75,39.5 R2.2@70.7,39.45
VTCS: M1.N7 M2.S27 | length 1.6
  Bottom Layer w0.2: M1.N7@47.683,63.83 M2.S27@47.683,65.42
VVT: M2.E10 Q1.1 R27.1 | length 44
  Top Layer w0.25: Q1.1@90.375,55.275 90.375,55.8 91.172,56.597 v1(91.228,56.597) ; v1(92.35,88.65) 92.35,88.555 92.55,88.355 92.55,76.025 92.175,75.65 92.175,70.291 92.825,69.641 92.825,66.32 92.825,64.508 94.925,62.408 94.925,60.114 v1(93.8,58.989)
  Bottom Layer w0.2: M2.E10@85.102,88.645 v1@92.35,88.645
  Bottom Layer w0.25: v1(91.228,56.597) 93.62,58.989 v1(93.8,58.989)
WBO_H-: M12.E5 P8.3 P8.4 | length 7.8
  Top Layer w2.4: P8.4@142.45,53.625 P8.3@144.25,53.625
  Top Layer w3: M12.E5@141.4,59.475 141.375,59.45 141.375,56.276 143.375,54.276
WBO_IP: M12.E3 P8.6 | length 5.1
  Top Layer w0.25: P8.6@137.075,53.625 137.025,53.675 137.025,55.475 138.25,56.7 M12.E3@138.25,58.225
WBO_RCAL: M12.E4 P8.5 | length 4.7
  Top Layer w0.25: M12.E4@139.25,58.225 139.336,58.139 139.336,53.864 P8.5@139.575,53.625
WBO_VS: M12.E1 P8.8 | length 7.6
  Top Layer w0.25: P8.8@132.075,53.625 132.175,53.725 132.175,55.625 132.8,56.25 134.975,56.25 136.25,57.525 M12.E1@136.25,58.225
WBO_VS/IP: M12.E2 P8.7 | length 5.7
  Top Layer w0.25: P8.7@134.575,53.625 134.825,53.875 134.825,55.2 137.175,57.55 137.175,58.15 M12.E2@137.25,58.225
pads on no net: J2. J2.4 J3.4 M1.E3 M1.E4 M1.S14 M2.E11 M2.E13 M2.E23 M2.E24 M2.N4 M2.N5 M2.N12 M2.N13 M2.N14 M2.N15 M2.N18 M2.N19 M2.N32 M2.S3 M2.S4 M2.S5 M2.S6 M7.S9 M7.S10 M7.S13 M7.W1 M7.W8 M7.W29 M7.W35 M7.W36 M12.J1 M12.J2 M12.J_GND1 M12.J_GND2 M12.J_VCC1 M12.J_VCC2 P1. P1.3S P1.4AC P1.4E P1.4T P1.4Z P1._1 P3.5 P3.7 P3.10 P3.12 P3.14 P3.16 P3.17 P3.18 P11.6 Q1. Q2. R19.4 R22.4 U1. U1.4 U1.5 U1.6 U1._1 U2.11 U2.12
copper on no net: | length 125.1
  Top Layer w0.6: 108.205,123.248 108.22,128.535 ; 108.218,123.185 ccw(c110.367,123.175) 110.358,121.025 ; 108.22,128.515 cw(c110.37,128.525) 110.36,130.675 ; 110.355,121.022 121.255,121.022 ; 110.357,130.672 121.282,130.672 ; 121.28,121.023 ccw(c121.27,123.172) 123.42,123.182 123.42,128.585 ; 121.283,130.675 cw(c121.273,128.525) 123.422,128.516
  Bottom Layer w0.6: 22.94,29.45 25.48,29.45 ; 22.94,31.99 25.48,31.99 ; 22.94,34.53 25.48,34.53 ; 22.94,37.07 25.48,37.07 ; 22.94,39.61 25.48,39.61 ; 22.94,42.15 25.48,42.15 ; 22.94,44.69 25.48,44.69 ; 22.94,47.23 25.48,47.23 ; 22.94,49.77 25.48,49.77 ; 22.94,52.31 25.48,52.31 ; 22.94,54.85 25.48,54.85 ; 22.94,57.39 25.48,57.39 ; 22.94,59.93 25.48,59.93 ; 108.205,123.248 108.22,128.535 ; 108.218,123.185 ccw(c110.367,123.175) 110.358,121.025 ; 108.22,128.515 cw(c110.37,128.525) 110.36,130.675 ; 110.355,121.022 121.255,121.022 ; 110.357,130.672 121.282,130.672 ; 121.28,121.023 ccw(c121.27,123.172) 123.42,123.182 123.42,128.585 ; 121.283,130.675 cw(c121.273,128.525) 123.422,128.516

## Polygon pours and split planes (outlines as drawn)
no net on Top Overlay "PGND-Internal2" (solid): 121.803,123.29 121.971,123.225 122.084,123.151 122.262,122.94 122.434,122.695 122.501,122.467 122.479,122.238 122.469,122.078 122.432,121.869 122.375,121.646 122.328,121.582 122.205,121.496 122.203,121.587 122.143,121.759 121.971,122.004 121.836,122.154 121.66,122.275 121.516,122.479 121.434,122.727 121.471,122.936 121.551,123.084 121.66,123.19
no net on Top Overlay "PGND-Internal2" (solid): 121.577,127.405 121.635,127.018 121.698,126.666 121.839,125.941 121.942,125.402 122.151,124.755 122.311,124.44 122.405,124.261 122.518,124.188 122.581,124.141 122.595,124.12 122.612,124.009 122.622,123.864 122.624,123.774 122.598,123.725 122.536,123.682 121.014,123.501 120.945,123.514 120.881,123.561 120.867,123.581 120.848,123.782 120.846,123.872 120.853,123.907 120.879,123.956 121.023,124.056 121.074,124.245 121.147,124.663 121.156,124.912 121.162,125.558 121.116,126.625 121.081,127.241 121.079,127.331 121.086,127.366 121.112,127.415 121.153,127.444 121.319,127.469 121.464,127.479 121.499,127.473 121.548,127.446
no net on Top Overlay "PGND-Internal2" (solid): 121.606,123.397 121.322,123.106 121.176,122.791 121.16,122.596 121.185,122.43 121.215,122.299 121.301,122.176 121.498,122.07 121.688,121.929 121.815,121.834 121.936,121.705 122.016,121.548 122.061,121.396 122.078,121.285 122.074,121.161 122.006,121.083 121.969,121.179 121.904,121.316 121.789,121.48 121.641,121.56 121.459,121.646 121.277,121.732 121.095,121.818 120.945,121.988 120.859,122.111 120.757,122.344 120.759,122.559 120.795,122.768 120.881,122.95 121.002,123.127 121.35,123.37 121.557,123.424
no net on Top Overlay "PGND-Internal2" (solid): 121.585,127.655 121.63,127.809 121.62,127.954 121.583,128.05 121.505,128.118 121.393,128.191 121.274,128.23 121.163,128.214 121.047,128.163 120.924,128.077 120.864,127.944 120.854,127.784 120.885,127.653 120.957,127.55 121.026,127.538 121.524,127.612
no net on Top Overlay "PGND-Internal2" (solid): 122.068,123.369 122.13,123.412 122.364,123.317 122.647,123.088 122.897,122.775 123.005,122.576 123.11,122.252 123.089,121.933 122.944,121.617 122.784,121.322 122.577,120.964 122.465,120.733 122.387,120.495 122.338,120.216 122.354,120.106 122.25,120.124 122.188,120.386 122.149,120.573 122.178,120.837 122.254,121.165 122.393,121.445 122.559,121.775 122.69,122.111 122.7,122.271 122.647,122.478 122.559,122.691 122.45,122.889 122.264,123.155 122.114,123.325
no net on Bottom Overlay "PGND-Internal2" (solid): 109.819,123.497 110.103,123.206 110.249,122.891 110.265,122.696 110.24,122.53 110.21,122.399 110.124,122.276 109.927,122.17 109.737,122.029 109.61,121.934 109.489,121.805 109.409,121.648 109.364,121.496 109.347,121.385 109.351,121.261 109.419,121.183 109.456,121.279 109.521,121.416 109.636,121.58 109.784,121.66 109.966,121.746 110.148,121.832 110.33,121.918 110.48,122.088 110.566,122.211 110.668,122.444 110.666,122.659 110.63,122.868 110.544,123.05 110.423,123.227 110.075,123.47 109.868,123.524
no net on Bottom Overlay "PGND-Internal2" (solid): 109.84,127.755 109.795,127.909 109.805,128.054 109.842,128.15 109.92,128.218 110.032,128.291 110.151,128.33 110.262,128.314 110.378,128.263 110.501,128.177 110.561,128.044 110.571,127.884 110.54,127.753 110.468,127.65 110.399,127.638 109.901,127.712
no net on Bottom Overlay "PGND-Internal2" (solid): 109.357,123.469 109.295,123.512 109.061,123.417 108.778,123.188 108.528,122.875 108.42,122.676 108.315,122.352 108.336,122.033 108.481,121.717 108.641,121.422 108.848,121.064 108.96,120.833 109.038,120.595 109.087,120.316 109.071,120.206 109.175,120.224 109.237,120.486 109.276,120.673 109.247,120.937 109.171,121.265 109.032,121.545 108.866,121.875 108.735,122.211 108.725,122.371 108.778,122.578 108.866,122.791 108.975,122.989 109.161,123.255 109.311,123.425
no net on Bottom Overlay "PGND-Internal2" (solid): 109.622,123.39 109.454,123.325 109.341,123.251 109.163,123.04 108.991,122.795 108.923,122.567 108.946,122.338 108.956,122.178 108.993,121.969 109.05,121.746 109.097,121.682 109.22,121.596 109.222,121.687 109.282,121.859 109.454,122.104 109.589,122.254 109.765,122.375 109.909,122.579 109.991,122.827 109.954,123.036 109.874,123.184 109.765,123.29
no net on Bottom Overlay "PGND-Internal2" (solid): 109.848,127.505 109.79,127.118 109.727,126.766 109.586,126.041 109.483,125.502 109.274,124.855 109.114,124.54 109.02,124.361 108.907,124.288 108.844,124.241 108.83,124.22 108.813,124.109 108.803,123.964 108.801,123.874 108.827,123.825 108.889,123.782 110.411,123.601 110.48,123.614 110.544,123.661 110.558,123.681 110.576,123.882 110.579,123.972 110.572,124.007 110.546,124.056 110.402,124.156 110.351,124.345 110.278,124.763 110.269,125.012 110.263,125.658 110.309,126.725 110.343,127.341 110.346,127.431 110.339,127.466 110.313,127.515 110.272,127.544 110.106,127.569 109.961,127.579 109.926,127.573 109.877,127.546
GND on Top Layer "GND_TOP" (solid, remove dead copper, pour order 0): 0,159.15 0.225,158.925 154.225,158.925 154.225,0.2 154.025,0 153.975,0.05 0,0.05
GND on Bottom Layer "GND_BOTTOM" (solid, remove dead copper, pour order 1): 0,159.15 0.225,158.925 154.225,158.925 154.225,0.2 154.025,0 153.975,0.05 0,0.05

## Keep-outs
Keep-Out Layer:
  the board outline again, w0.2

## Other copper
Top Layer:
  region: 109.931,120.81 108.212,122.01 108.212,128.766 108.437,128.991 108.72,129.81 109.931,130.485
  region: 122.57,121.385 123.395,122.21 123.395,129.035 123.17,129.26 123.17,129.595 122.555,130.21
  region: 122.57,121.385 122.207,121.022 109.732,121.022 109.37,121.385
  region: 122.555,130.31 122.192,130.672 109.717,130.672 109.155,130.11 122.455,130.11 122.555,130.21
  region net NetJ3_6: 31.1,3.325 31.1,12.175 25.875,12.175 25.85,12.2 25.85,3.325
  region net NetJ3_6: 12.9,3.325 12.9,12.175 18.125,12.175 18.15,12.2 18.15,3.325
  text "1" at 122.87,130.172 h15 r180
Bottom Layer:
  region: 109.931,120.81 108.212,122.01 108.212,128.766 108.437,128.991 108.72,129.81 109.931,130.485
  region: 121.293,121.023 122.383,121.339 123.395,122.21 123.395,129.035 123.17,129.26 123.17,129.595 122.383,130.485 121.293,130.672
  region: 122.57,121.385 122.207,121.022 109.732,121.022 109.37,121.385
  region: 122.555,130.31 122.192,130.672 109.717,130.672 109.155,130.11 122.455,130.11 122.555,130.21
  region net NetJ3_6: 12.9,3.325 12.9,12.175 18.125,12.175 18.15,12.2 18.15,3.325
  region net NetJ3_6: 31.1,3.325 31.1,12.175 25.875,12.175 25.85,12.2 25.85,3.325
  text "1" at 108.8,130.172 h15 r180

## Silkscreen, mask and mechanical layers (free items; w line width, h text height)
Top Overlay:
  circle w0.254: c135.9,98.575 r0.224
  rectangle: 90.125,137.675 140.125,157.675
  lines w0.2: 2.605,86.65 2.605,112.995 11.275,112.995 11.275,86.65 2.605,86.65 ; 6.03,27.95 27.125,27.95 27.125,61.6 6.03,61.6 6.03,27.95
  lines w0.4: 15.749,73.611 15.749,83.411 ; 15.749,73.661 38.399,73.661 ; 15.749,83.461 38.299,83.461 ; 38.349,73.661 38.349,83.461 ; 46.4,30.9 46.4,40.7 ; 51.75,30.9 51.75,40.7 ; 57.9,30.9 57.9,40.7 ; 63.6,40.7 43.15,40.7 43.15,30.9 75.15,30.9 75.35,30.7 151.2,30.7 151.2,40.725 ; 63.65,30.9 63.65,44.7 71.9,44.7 71.9,30.9 ; 71.9,40.7 75.15,40.7 ; 75.05,30.9 75.05,40.7 ; 84.65,31 84.65,40.8 ; 106.75,30.8 106.75,40.6 ; 107.495,123.135 107.495,128.533 ; 107.495,123.16 ccw(c110.307,123.148) 110.295,120.335 121.195,120.335 ; 107.497,128.51 cw(c110.31,128.523) 110.297,131.335 121.222,131.335 cw(c121.21,128.523) 124.022,128.51 ; 109,129.815 121.162,129.815 ; 118.3,30.9 118.3,40.7 ; 121.22,120.335 ccw(c121.207,123.148) 124.02,123.16 124.02,128.538 ; 129.725,51.125 129.725,45.125 141.091,45.125 141.091,48.132 ; 130.05,30.9 130.05,40.7 ; 135.575,124.36 150.345,124.36 ; 135.625,108.4 150.395,108.4 ; 135.675,116.38 150.445,116.38 ; 141.079,48.143 151.768,48.143 151.966,48.341 151.966,51.207 ; 141.85,30.7 141.85,40.725 ; 134.44,102.66 135.4,101.7 150.4,101.7 151.29,102.59 151.29,130.65 150.08,131.86 135.31,131.86 134.44,130.99 134.44,102.66
  lines w0.5: 23.91,29.45 24.51,29.45 ; 23.91,34.53 24.51,34.53 ; 23.91,37.07 24.51,37.07 ; 23.91,39.61 24.51,39.61 ; 23.91,42.15 24.51,42.15 ; 23.91,44.69 24.51,44.69 ; 23.91,47.23 24.51,47.23 ; 23.91,49.77 24.51,49.77 ; 23.91,52.31 24.51,52.31 ; 23.91,54.85 24.51,54.85 ; 23.91,57.39 24.51,57.39 ; 23.91,59.93 24.51,59.93 ; 23.97,32 24.57,32
  text "Extension Port" at 54.693,152.9 h2 r180
  text "GND" at 44.16,148.335 h1 r180
  text "GND" at 53.256,148.335 h1 r180
  text "+5V" at 44.16,145.81 h1 r180
  text "+5V" at 53.256,145.71 h1 r180
  text "©" at 1.325,145.075 h4 r270
  text "+3.3V" at 55.089,143.21 h1 r180
  text "+12V" at 44.16,143.185 h1 r180
  text "andreika, 2021" at 1.7,141.375 h4 r270
  text "USB2+" at 55.255,138.11 h1 r180
  text "https://rusefi.com/s/hellen72" at 138.7,136.114 h4 r180
  text "USB2-" at 55.255,135.56 h1 r180
  text "IO2" at 53.089,133.085 h1 r180
  text "IO1" at 52.756,130.535 h1 r180
  text "d" at 99.129,129.501 h6 r180
  text "GND" at 150.639,129.443 h2 r180
  text "H" at 122.045,129.385 h9 r180
  text "ellen" at 117.68,129.28 h6 r180
  text "SD-CARD" at 84.897,129.15 h2 r180
  text "72" at 107.145,128.91 h9 r170
  text "CS2" at 44.16,128.035 h1 r180
  text "MOSI" at 44.16,125.485 h1 r180
  text "UART_TX" at 57.255,122.943 h1 r180
  text "SCK" at 44.16,122.91 h1 r180
  text "ST-Link/V2 mini" at 83.92,121.875 h2 r180
  text "+3.3" at 150.431,121.432 h2 r180
  text "UART_RX" at 57.255,120.443 h1 r180
  text "MISO" at 44.16,120.36 h1 r180
  text "USB-Mini-B" at 107.184,117.85 h2 r180
  text "RESET" at 131.448,117.475 h2 r180
  text "Proto Area" at 12.121,115.875 h2 r180
  text "+5" at 150.24,113.413 h2 r180
  text "PROG" at 131.394,110.975 h2 r180
  text "MAP MPX4250" at 30.125,108.9 h2 r180
  text "+12" at 150.24,106.016 h2 r180
  text "WBO SWD" at 146.182,98.275 h1.2 r180
  text "IGN1 ▶" at 18.977,71.973 h1.5 r90
  text "IGN2 ▶" at 21.677,71.973 h1.5 r90
  text "IGN3 ▶" at 24.377,71.973 h1.5 r90
  text "IGN4 ▶" at 27.077,71.973 h1.5 r90
  text "IGN5 ▶" at 29.777,71.973 h1.5 r90
  text "IGN6 ▶" at 32.477,71.973 h1.5 r90
  text "IGN7 ▶" at 35.177,71.973 h1.5 r90
  text "IGN8 ▶" at 37.877,71.973 h1.5 r90
  text "Proto Area" at 21.819,64.396 h2 r180
  text "H-" at 145.724,50.925 h2 r180
  text "GND" at 150.924,50.925 h2 r180
  text "CAM" at 63.577,49.606 h1.5 r180
  text "Vs ►" at 133.2,45.705 h1.5 r90
  text "Ip ►" at 138.225,45.652 h1.5 r90
  text "Rcal ►" at 140.8,45.652 h1.5 r90
  text "LSU 4.x WBO" at 130.975,45.318 h1.2 r90
  text "Vs/Ip ►" at 135.7,45.125 h1.5 r90
  text "CRANK" at 63.951,42.531 h1.5 r180
  text "IGN8 ►" at 46.385,31.375 h1.5 r90
  text "2003 ►" at 49.385,31.375 h1.5 r90
  text "2002 ►" at 51.835,31.375 h1.5 r90
  text "+5V ►" at 55.301,31.375 h1.5 r90
  text "IGN6 ►" at 57.659,31.375 h1.5 r90
  text "GND ►" at 60.985,31.375 h1.5 r90
  text "IGN5 ►" at 63.385,31.375 h1.5 r90
  text "CAM ►" at 69.128,31.375 h1.5 r90
  text "VSS ►" at 71.676,31.375 h1.5 r90
  text "IGN7 ►" at 74.935,31.375 h1.5 r90
  text "HALL pullups" at 65.1,30.97 h1.2 r90
  text "4u (MAP)" at 44.625,30.932 h1.2 r90
  text "Miata VIGN" at 47.65,30.932 h1.2 r90
  text "4k (MAP +5)" at 53.212,30.932 h1.2 r90
  text "3z (MAP gnd)" at 59.35,30.932 h1.2 r90
  text "3L (AFR)" at 73.35,30.932 h1.2 r90
  text "SOLENOIDS" at 131.3,30.832 h1.2 r90
  text "MAIN ►" at 81.878,30.662 h1.5 r90
  text "INJ8 ►" at 86.803,30.662 h1.5 r90
  text "INJ7 ►" at 89.503,30.662 h1.5 r90
  text "INJ6 ►" at 92.203,30.662 h1.5 r90
  text "INJ5 ►" at 94.903,30.662 h1.5 r90
  text "INJ4 ►" at 98.578,30.662 h1.5 r90
  text "INJ3 ►" at 101.178,30.662 h1.5 r90
  text "INJ2 ►" at 103.878,30.662 h1.5 r90
  text "INJ1 ►" at 106.578,30.662 h1.5 r90
  text "A/C ►" at 108.928,30.662 h1.5 r90
  text "F_PUMP►" at 111.628,30.662 h1.5 r90
  text "IDLE ►" at 114.328,30.662 h1.5 r90
  text "ECF ►" at 117.028,30.662 h1.5 r90
  text "VVT ►" at 121.878,30.662 h1.5 r90
  text "O2H ►" at 124.578,30.662 h1.5 r90
  text "O2H2 ►" at 127.278,30.662 h1.5 r90
  text "CE ►" at 129.978,30.662 h1.5 r90
  text "SOL_B2 ►" at 133.178,30.662 h1.5 r90
  text "SOL_B1 ►" at 135.878,30.662 h1.5 r90
  text "SOL_A2 ►" at 138.578,30.662 h1.5 r90
  text "SOL_A1 ►" at 141.278,30.662 h1.5 r90
  text "TACH ►" at 144.623,30.662 h1.5 r90
  text "VIGN ►" at 150.458,30.657 h1.5 r90
  text "CRANK ►" at 66.689,30.6 h1.5 r90
  text "ALTERN ►" at 147.508,30.275 h1.5 r90
  text "ALT_W ►" at 79.078,30.019 h1.5 r90
  text "CANIST ►" at 84.478,30.019 h1.5 r90
Bottom Overlay:
  lines w0.2: 44.7,118.6 44.8,118.7 44.8,149.1 49.8,149.1 49.756,149.056 49.756,118.625 49.731,118.6 44.7,118.6
  lines w0.4: 107.495,123.135 107.495,128.533 ; 107.495,123.16 ccw(c110.307,123.148) 110.295,120.335 121.195,120.335 ; 107.497,128.51 cw(c110.31,128.523) 110.297,131.335 121.222,131.335 cw(c121.21,128.523) 124.022,128.51 ; 109.6,129.815 121.762,129.815 ; 121.22,120.335 ccw(c121.207,123.148) 124.02,123.16 124.02,128.538
  text "Always looking for C/C++/PHP/Java developers / https://rusefi.com/s/mission" at 36.019,157.2 h4 r180
  text "GND" at 41.306,148.335 h1 r180
  text "GND" at 50.735,148.335 h1 r180
  text "+5V" at 41.306,145.81 h1 r180
  text "+5V" at 50.735,145.71 h1 r180
  text "+3.3V" at 50.735,143.21 h1 r180
  text "+12V" at 40.473,143.185 h1 r180
  text "USB2+" at 50.735,138.11 h1 r180
  text "https://rusefi.com/s/hellen72" at 91.462,136.114 h4 r180
  text "USB2-" at 50.735,135.56 h1 r180
  text "IO2" at 50.735,133.085 h1 r180
  text "IO1" at 50.735,130.535 h1 r180
  text "d" at 132.458,129.501 h6 r180
  text "H" at 109.425,129.375 h9 r180
  text "ellen" at 113.575,129.275 h6 r180
  text "72" at 124.442,128.91 h9 r190
  text "CS2" at 41.306,128.035 h1 r180
  text "MOSI" at 40.64,125.485 h1 r180
  text "andreika, 2021" at 149.387,123.235 h4 r270
  text "UART_TX" at 50.735,122.943 h1 r180
  text "SCK" at 41.306,122.91 h1 r180
  text "UART_RX" at 50.735,120.443 h1 r180
  text "MISO" at 40.473,120.36 h1 r180
  text "©" at 149.012,119.535 h4 r270
  text "Extension Port" at 39.882,118.3 h2 r180
  text "V12_RAW" at 35.878,29.695 h0.8 r270
  text "IN_MAP2" at 45.268,29.695 h0.8 r270
  text "OUT_VVT" at 48.398,29.695 h0.8 r270
  text "GNDA" at 51.395,29.695 h0.8 r270
  text "V5A" at 54.525,29.695 h0.8 r270
  text "V12_RAW" at 60.248,29.695 h0.8 r270
  text "GND" at 63.245,29.695 h0.8 r270
  text "CANL" at 69.145,29.695 h0.8 r270
  text "OUT_ALT_WARN" at 72.078,29.695 h0.8 r270
  text "OUT_O2H2" at 75.208,29.695 h0.8 r270
  text "OUT_ALTERN" at 78.338,29.695 h0.8 r270
  text "OUT_O2H" at 81.468,29.695 h0.8 r270
  text "OUT_INJ8" at 86.778,29.695 h0.8 r270
  text "GND" at 89.57,29.695 h0.8 r270
  text "V12_RAW" at 95.478,29.695 h0.8 r270
  text "OUT_PUMP" at 97.978,29.695 h0.8 r270
  text "OUT_INJ4" at 100.478,29.695 h0.8 r270
  text "OUT_INJ3" at 102.978,29.695 h0.8 r270
  text "OUT_INJ2" at 105.478,29.695 h0.8 r270
  text "OUT_INJ1" at 107.978,29.695 h0.8 r270
  text "V12_PERM" at 28.832,23.822 h0.8 r180
  text "OUT_ECF" at 109.523,23.822 h0.8 r180
  text "GND" at 90.987,22.423 h0.8 r270
  text "IN_CRANK" at 67.828,20.432 h0.8 r270
  text "IN_BRAKE" at 65.528,20.407 h0.8 r270
  text "OUT_IDLE" at 94.053,20.357 h0.8 r270
  text "CANH" at 71.745,13.973 h0.8 r270
  text "IN_IAT" at 53.778,12.64 h0.8 r270
  text "IN_O2S" at 46.278,12.506 h0.8 r270
  text "IN_VSS" at 74.378,12.506 h0.8 r270
  text "IN_EGR" at 38.778,12.395 h0.8 r270
  text "IN_AFR" at 81.878,12.406 h0.8 r270
  text "OUT_CE" at 95.578,12.373 h0.8 r270
  text "OUT_IGN1" at 86.878,11.075 h0.8 r270
  text "IN_SENS4" at 35.978,10.907 h0.8 r270
  text "OUT_INJ7" at 89.678,10.907 h0.8 r270
  text "OUT_IGN3" at 98.078,10.907 h0.8 r270
  text "OUT_INJ5" at 108.078,10.907 h0.8 r270
  text "OUT_IGN2" at 84.378,10.795 h0.8 r270
  text "OUT_TACH" at 79.378,10.774 h0.8 r270
  text "IN_CLUTCH" at 58.778,10.107 h0.8 r270
  text "IN_FTP_PPS" at 41.278,9.307 h0.8 r270
  text "OUT_COIL_B1" at 103.078,8.774 h0.8 r270
  text "OUT_COIL_A1" at 105.578,8.774 h0.8 r270
  text "IN_STEERING" at 63.778,8.641 h0.8 r270
  text "IN_AC_PRESS" at 61.278,8.508 h0.8 r270
Mechanical 15:
  the board outline again, w0.2